# KiCad board 2000ATX.kicad_pcb (continued)
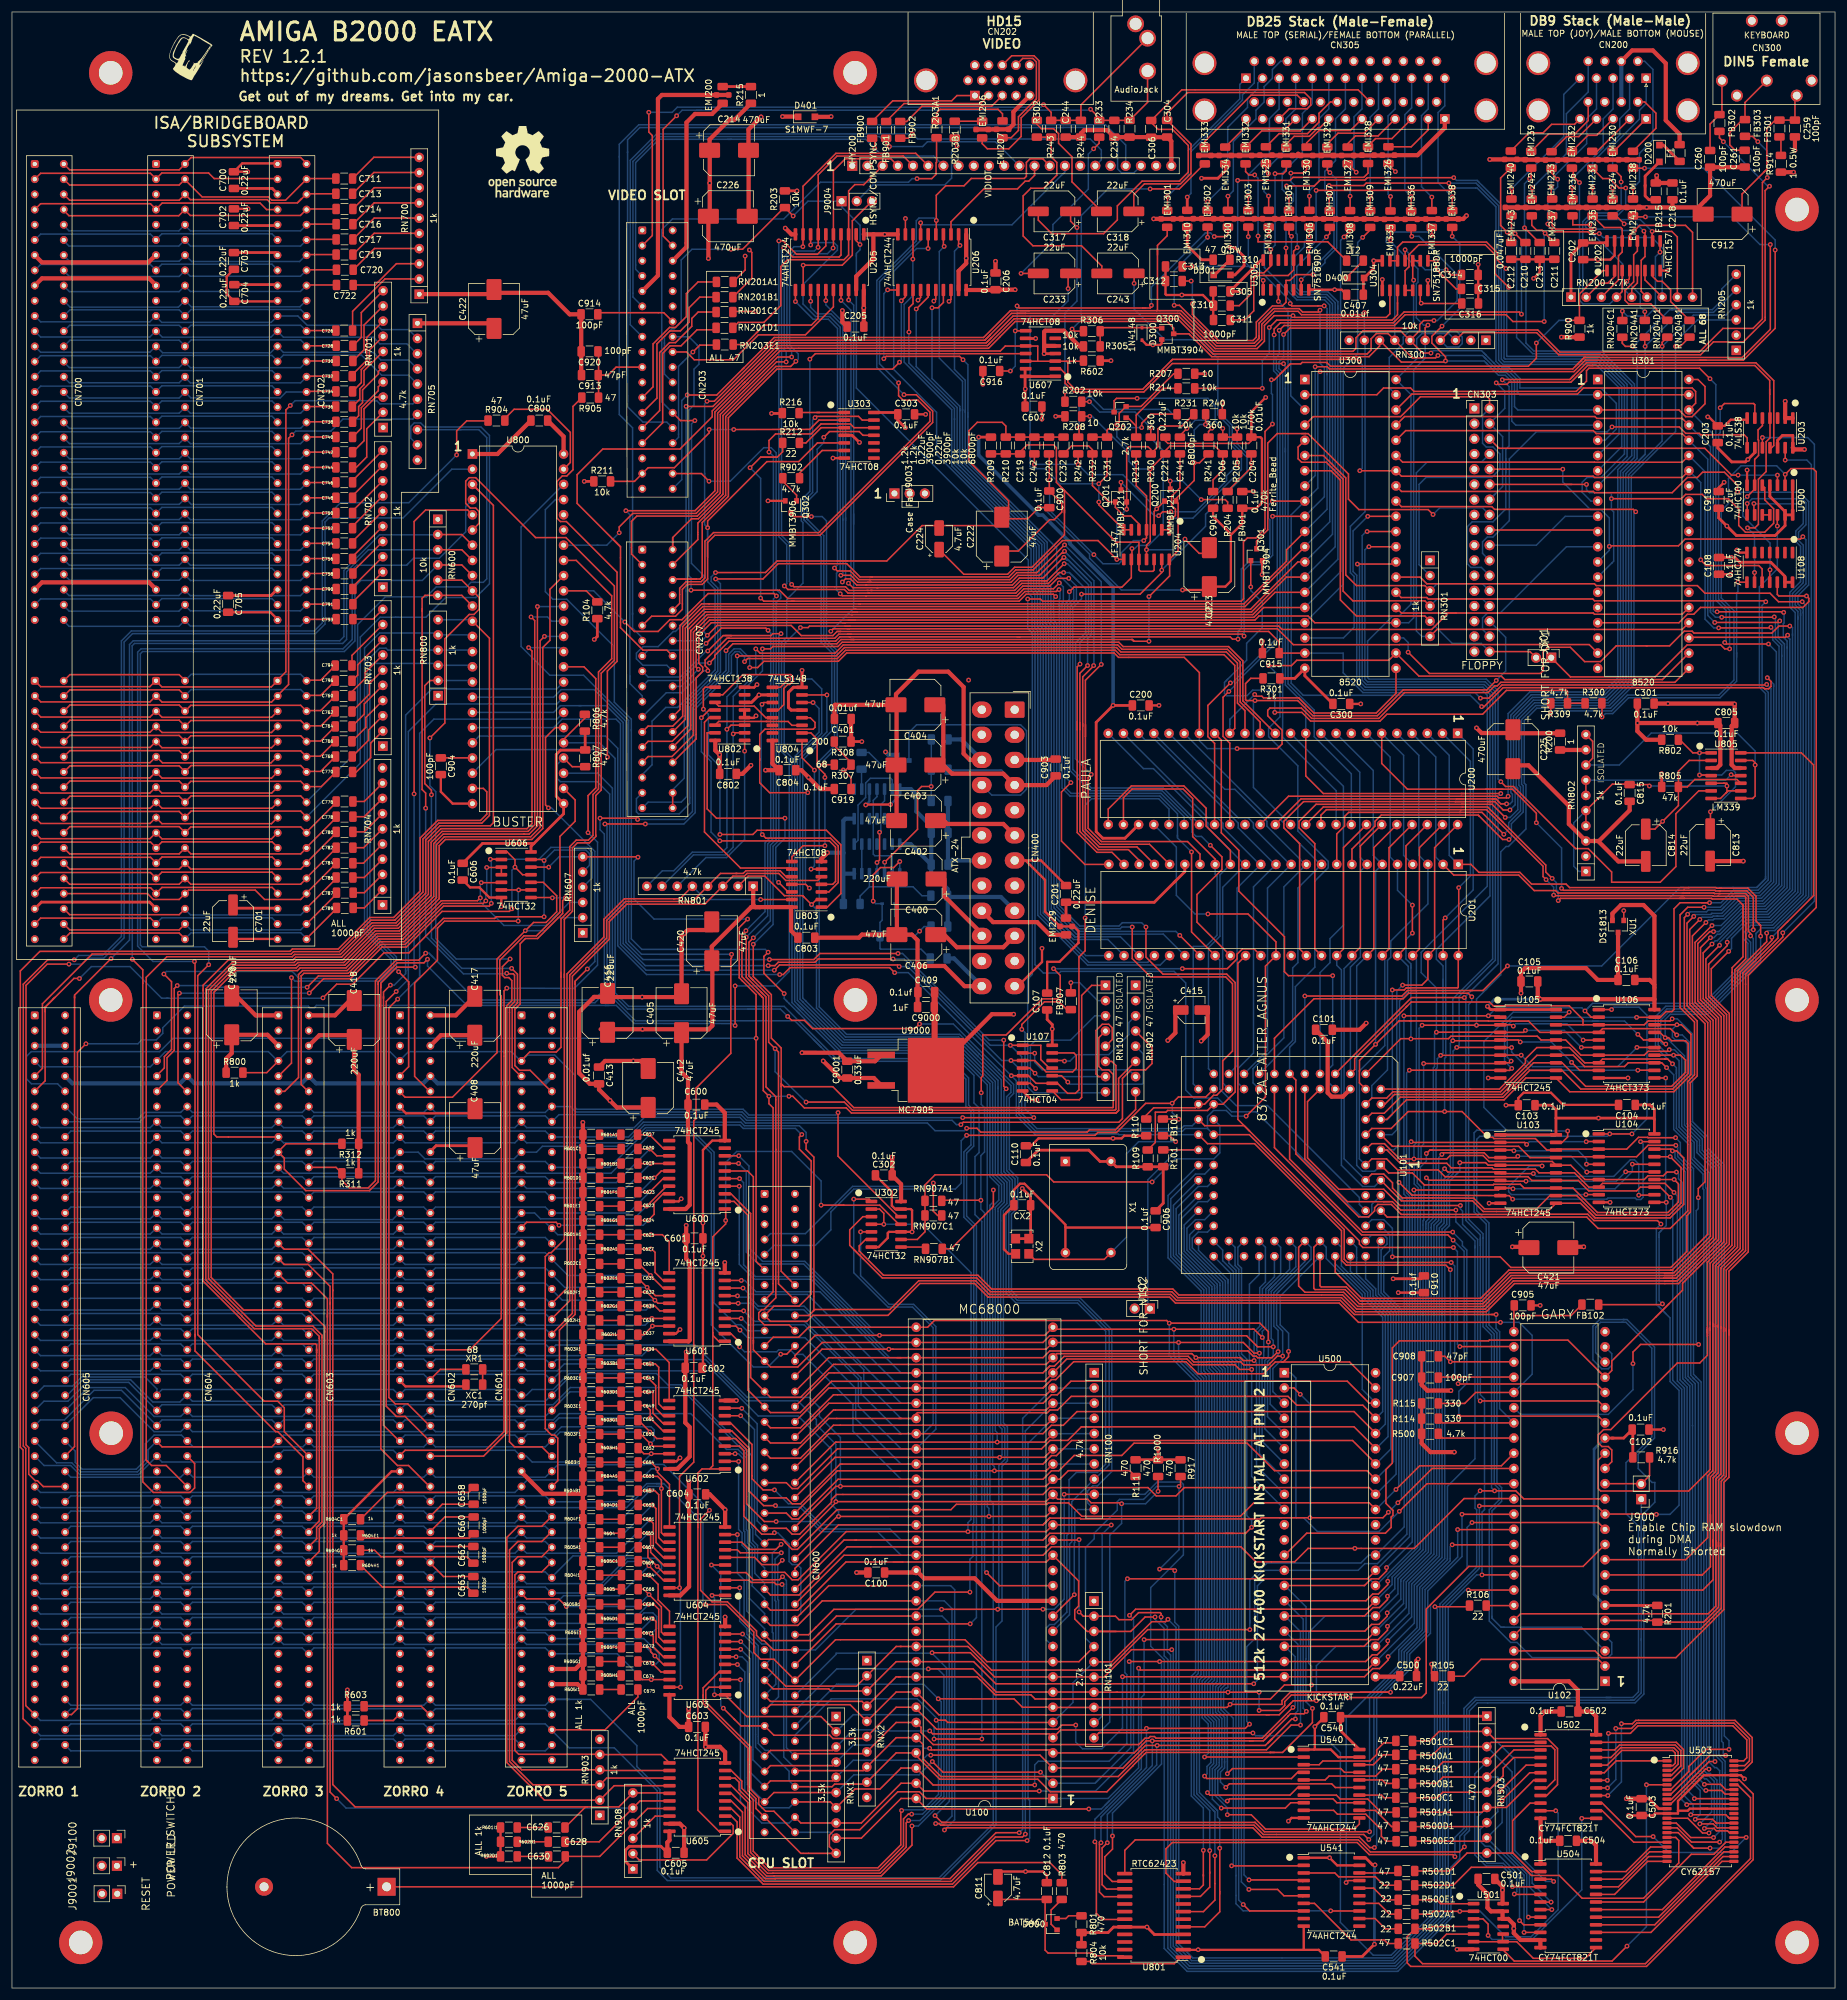
[diagram p0: board, top side]
## Routing (per net, layer and track width the routed paths; a pad name or vN(x,y) marks a point on that pad's centre or on a via; arc(x,y) is an arc through that point) (continued)
Net-(U201-Pad21): length 157.7
  Top w0.25: v1(180.85,220.98) 180.85,220.92 179.02,219.09 179.02,210.87 ; 179.02,210.87 179.02,211.3 ; 179.02,210.87 179.02,193.43 181.77,190.68 188.09,190.68 U201.21 ; 143.62,234.89 167.02,234.89 168.19,236.06 171.8,236.06 175.53,239.79 175.78,239.79 175.97,239.98 v1(175.97,240.08) ; 143.62,234.89 141.42,234.89 140.24,236.07 v1(138.58,236.07) ; 143.62,234.89 143.05,234.89 ; U205.13 v1(133.53,281.86)
  Bottom w0.25: 138.92,245.45 138.92,236.41 v1(138.58,236.07) ; 138.92,245.45 138.92,277.76 136.93,279.76 134.62,279.76 133.53,280.85 v1(133.53,281.86) ; 138.92,245.45 138.92,245.26 ; 176.83,239.22 v1(175.97,240.08) 180.89,235.16 180.89,221.02 v1(180.85,220.98)
Net-(U201-Pad22): length 158.5
  Top w0.25: U205.15 v1(136.07,281.97) ; v1(138.84,234.95) 139.36,235.47 140.2,235.47 141.23,234.44 142.9,234.44 ; 142.9,234.44 167.26,234.44 168.43,235.61 172.36,235.61 175.57,238.82 175.83,238.82 175.87,238.86 v1(175.87,239.06) ; 142.9,234.44 142.7,234.44 ; U201.22 188.47,188.42 186.66,190.23 181.58,190.23 178.55,193.26 178.55,210.3 ; 178.55,210.3 178.55,211.46 ; 178.55,210.3 178.55,219.7 v1(179.83,220.98)
  Bottom w0.25: 139.37,245.65 139.37,245.21 ; 139.37,245.65 139.37,235.49 v1(138.84,234.95) ; 139.37,245.65 139.37,277.95 136.07,281.25 v1(136.07,281.97) ; v1(179.83,220.98) 179.83,225.52 180.44,226.13 180.44,234.78 176.65,238.58 176.36,238.58 v1(175.87,239.06) 176.16,239.06 179.76,235.47
Net-(U201-Pad23): length 148
  Top w0.25: v1(175.92,238) 173.08,235.16 172.25,235.16 ; v1(139.85,234.75) 140.61,233.99 144.77,233.99 ; 178.1,210.27 178.1,193.07 181.4,189.78 183.91,189.78 U201.23 ; 178.1,210.27 178.1,211.65 ; 178.1,210.27 178.1,220.77 v1(178.56,221.23) ; 144.77,233.99 167.44,233.99 168.61,235.16 172.98,235.16 ; 144.77,233.99 144.53,233.99 ; U205.17 v1(138.61,282.02)
  Bottom w0.25: v1(138.61,282.02) 140.27,280.35 140.27,235.17 v1(139.85,234.75) ; v1(175.92,238) 176.49,238 179.99,234.49 179.99,226.31 178.56,224.88 v1(178.56,221.23)
Net-(U201-Pad24): length 127.1
  Top w0.25: 145.75,272.24 v1(145.77,272.26) 146.16,272.65 158.44,272.65 v1(159,272.08) ; U206.11 146.43,283.74 v1(146.41,283.77) ; v1(177.04,201.42) 175.46,199.85 175.46,191.67 179.37,187.76 U201.24
  Bottom w0.25: v1(145.77,272.26) 145.77,283.13 v1(146.41,283.77) ; v1(177.04,201.42) 176.47,201.99 176.47,229.07 ; 176.47,229.07 176.47,231.04 177.51,232.08 177.51,233.67 174.67,236.52 174.67,240.64 159.82,255.48 159.82,262.54 ; 176.47,229.07 176.47,229.36 ; v1(159,272.08) 159.82,271.26 159.82,262.54 ; 159.82,262.54 159.82,263.25
Net-(U201-Pad25): length 127.8
  Top w0.25: v1(149.96,276.71) 149.96,280.77 150.65,281.46 U206.13
  Bottom w0.25: 157.57,262.12 157.57,262.28 ; 157.57,262.12 157.57,263.92 149.96,271.54 v1(149.96,276.71) ; 157.57,262.12 157.57,254.54 171.28,240.84 171.28,233.99 171.9,233.36 171.9,227.65 172.42,227.13 172.42,179.63 179.53,172.52 U201.25
Net-(U201-Pad26): length 130.6
  Top w0.25: v1(151.18,280.57) 153.19,282.58 U206.15
  Bottom w0.25: 158.02,254.73 171.73,241.03 171.73,234.17 172.35,233.55 172.35,227.83 172.87,227.32 172.87,179.82 177.47,175.21 183.24,175.21 U201.26 ; 158.02,254.73 158.6,254.15 ; 158.02,254.73 158.02,264.11 151.18,270.95 v1(151.18,280.57)
Net-(U201-Pad27): length 135.5
  Top w0.25: U206.17 155.73,281.66 154.84,280.77 v1(153.82,280.77)
  Bottom w0.25: 176.22,177.1 177.66,175.66 178.62,175.66 ; 173.32,227.51 172.8,228.02 172.8,233.73 172.18,234.36 172.18,241.22 158.47,254.92 158.47,263.58 ; 173.32,227.51 173.32,226.73 ; 173.32,227.51 173.32,226.73 ; 158.47,263.58 158.47,263.96 ; 158.47,263.58 158.47,264.3 153.82,268.95 v1(153.82,280.77) ; 173.32,226.73 173.32,180.1 177.76,175.66 178.62,175.66 ; 178.62,175.66 185.33,175.66 U201.27
Net-(U201-Pad28): length 146.5
  Top w0.25: v1(150.62,288.9) 150.65,288.93 U206.8
  Bottom w0.25: v1(150.62,288.9) 150.62,282.8 149.16,281.34 149.16,271.7 157.12,263.74 157.12,254.36 170.83,240.66 170.83,233.8 171.45,233.18 171.45,227.46 171.94,226.97 171.94,226.58 171.96,226.57 171.96,179.45 180.02,171.39 189.88,171.39 U201.28
Net-(U201-Pad29): length 153.4
  Top w0.25: 153.16,293.07 U206.6 153.19,290.7 v1(153.16,290.68)
  Bottom w0.25: v1(153.16,290.68) 151.23,290.68 147.42,286.87 147.42,270.46 154.58,263.3 154.58,256.26 170.38,240.47 170.38,233.61 171,232.99 171,227.28 171.49,226.78 171.49,225.76 171.51,225.75 171.51,179.26 179.83,170.94 191.97,170.94 U201.29
Net-(U201-Pad30): length 146.6
  Top w0.25: v1(155.85,291.03) 155.73,291.16 U206.4 155.75,293.07
  Bottom w0.25: 158.92,263.62 158.92,268.48 155.04,272.36 155.04,290.17 v1(155.85,291.03) ; 158.92,263.62 158.92,263.8 ; 158.92,263.62 158.92,255.1 172.63,241.4 172.63,234.54 173.25,233.92 173.25,228.21 173.77,227.69 173.77,180.31 177.97,176.11 192.5,176.11 U201.30
Net-(U201-Pad31): length 148
  Top w0.25: 195.22,175.92 v1(195.25,175.9) U201.31 ; 158.29,293.07 U206.2 158.27,291.41 v1(158.5,291.19)
  Bottom w0.25: 159.37,263.33 159.37,268.67 157.58,270.46 157.58,290.22 v1(158.5,291.19) ; 159.37,263.33 159.37,255.29 173.08,241.59 173.08,234.73 173.7,234.11 173.7,228.39 174.22,227.88 174.22,227.36 174.22,180.5 178.15,176.56 194.59,176.56 v1(195.25,175.9) ; 159.37,263.33 159.37,263.65
Net-(U201-Pad33): length 205
  Top w0.25: 143.33,233.09 143.1,233.09 ; 143.33,233.09 139.78,233.09 139.18,233.69 129.73,233.69 v1(129.13,234.29) ; 143.33,233.09 167.83,233.09 169,234.26 173.5,234.26 174.8,235.56 v1(176.68,235.56) ; U201.33 198.12,178.1 198.12,182.73 202.29,186.9 202.29,189.02 v1(200.36,190.96) ; 128.27,291.95 128.94,291.95 131.18,289.71 134.66,289.71 136.07,291.11 U205.6
  Bottom w0.25: v1(129.13,234.29) 129.53,234.69 129.53,241.2 128.21,242.53 ; v1(128.21,291.95) 128.21,242.52 ; v1(200.36,190.96) 198.88,192.43 197.97,192.43 197.26,193.14 197.26,195.1 192.28,200.08 180.26,200.08 176.92,203.42 176.92,230.85 177.96,231.9 177.96,234.28 v1(176.68,235.56)
Net-(U300-Pad23): length 355.6
  Top w0.25: 142.38,121.79 140.82,123.35 ; 140.82,123.35 145.51,118.65 161.3,118.65 163.61,116.35 193.91,116.35 194.9,115.36 222.27,115.36 224.64,113 246.49,113 251.2,117.71 276.36,117.71 278.62,117.71 285.76,124.85 285.76,162.3 282.75,165.31 282.75,172.97 v1(284.23,174.45) ; 140.82,123.35 140.06,124.11 140.06,126.7 142.25,128.89 U302.3 ; 273.35,224.28 277.14,224.28 279.59,226.73 280.91,226.73 281.22,226.42 294.23,226.42 295.4,227.58 v1(297.23,227.58) ; 273.35,224.28 273.2,224.28 ; 273.35,224.28 268.22,224.28 265.59,221.65 262.93,221.65 260.54,224.04 256.81,224.04 255.99,223.22 255.99,220.12 255.53,219.67 236.98,219.67 v1(233.43,223.22)
  Bottom w0.25: 297.69,226.28 297.69,226.06 ; 297.69,226.06 297.69,227.33 297.43,227.58 v1(297.23,227.58) ; 297.69,226.06 297.69,183.48 293.6,179.4 291.01,179.4 ; 291.01,179.4 289.51,179.4 285.12,175.01 284.78,175.01 v1(284.23,174.45) ; 291.01,179.4 290,179.4 ; v1(233.43,223.22) 233.43,224.84 232.66,225.6 U300.23
Net-(U301-Pad23): length 286.5
  Top w0.25: 276.35,118.16 251.01,118.16 246.3,113.45 224.82,113.45 222.46,115.81 218.96,115.81 195.09,115.81 194.09,116.8 163.79,116.8 161.49,119.1 145.7,119.1 141.65,123.15 141.65,124.01 142.72,125.08 U302.6 ; 276.35,118.16 278.43,118.16 285.31,125.04 285.31,162.12 282.3,165.13 282.3,173.85 v1(283.97,175.51) ; 276.35,118.16 278.08,118.16 ; U301.23 280.47,225.7 296.52,225.7 v1(296.88,226.06)
  Bottom w0.25: 297.24,225.39 297.24,183.67 293.42,179.85 290.08,179.85 ; 297.24,225.39 296.98,225.65 ; 297.24,225.39 296.88,225.76 v1(296.88,226.06) ; 290.08,179.85 289.32,179.85 285.56,176.08 285.1,176.08 284.54,175.51 v1(283.97,175.51) ; 290.08,179.85 289.81,179.85
Net-(U802-Pad9): length 61.8
  Top w0.25: v1(118.36,192.76) 123.88,192.76 124.58,193.46 136.16,193.46 138.59,191.03 138.59,182.9 136.32,180.62 U803.1 ; v1(115.6,213.69) 115.6,217.07 115.9,217.37 U802.9
  Bottom w0.25: v1(118.36,192.76) 118.36,204.11 116.85,205.63 ; 116.85,205.63 116.43,206.04 116.43,212.85 v1(115.6,213.69) ; 116.85,205.63 116.57,205.91
Net-(U802-Pad10): length 22.3
  Top w0.25: U804.12 128.12,213.54 129.03,214.45 129.03,217.14 129.72,217.83 130.03,217.83 130.6,218.4 130.6,219.09 130.22,219.47 122.21,219.47 118.85,216.1 U802.10
Net-(U802-Pad11): length 10.7
  Top w0.25: U802.11 118.17,214.21 124.1,214.21 126.03,212.27 U804.13
Net-(U802-Pad12): length 52.7
  Top w0.25: v1(115.27,212.27) 116.56,213.56 U802.12 ; v1(118.34,191.69) 136.65,191.69 137.69,190.65 137.69,184.91 137.21,184.43 U803.4
  Bottom w0.25: v1(118.34,191.69) 116.88,193.16 116.88,204.96 115.27,206.58 v1(115.27,212.27)
Net-(U802-Pad13): length 37.6
  Top w0.25: U803.9 130.21,187.15 121.81,187.15 115.78,193.18 115.78,211.51 116.56,212.29 U802.13
Net-(U802-Pad14): length 15.7
  Top w0.25: U802.14 118.17,211.65 126.11,211.65 126.12,211.64 126.81,211.64 ; 126.17,211.64 126.81,211.64 ; 126.81,211.64 129.76,211.64 130.4,211 U804.3
Net-(U802-Pad15): length 42.1
  Top w0.25: U803.12 129.77,183.16 v1(128.17,184.76) ; U802.15 116.26,209.75 116.23,209.73 116.23,197.03 117.78,195.48 v1(129.24,195.48)
  Bottom w0.25: v1(129.24,195.48) 129.24,192.14 127.7,190.6 127.7,185.23 v1(128.17,184.76)
Net-(U803-Pad3): length 46.9
  Top w0.25: 125.4,192.79 v1(125.45,192.74) 126.04,192.14 136.84,192.14 138.14,190.84 138.14,184.73 136.58,183.16 U803.3 ; U804.11 125.7,214.81 v1(125.4,214.5)
  Bottom w0.25: v1(125.45,192.74) 125.26,192.93 125.26,214.36 v1(125.4,214.5)
Net-(U803-Pad6): length 24.3
  Top w0.25: v1(134.16,203.5) 132.09,205.58 U804.1 ; v1(133.6,186.97) U803.6
  Bottom w0.25: v1(133.6,186.97) 134.16,187.53 v1(134.16,203.5)
Net-(U803-Pad8): length 28.5
  Top w0.25: U803.8 130.39,189.02 131.08,189.7 ; U804.2 133.58,209.73 134.62,208.69 134.62,204.12 135.92,202.83 v1(135.92,202.29) ; 131.08,189.7 132.26,190.88 v1(135.92,190.88) ; 131.08,189.7 131.19,189.81
  Bottom w0.25: v1(135.92,202.29) v1(135.92,190.88)
Net-(U803-Pad11): length 49.5
  Top w0.25: 125.02,205.33 125.02,205.21 ; 125.02,205.33 125.02,201.4 126.67,199.75 v1(133.05,199.75) ; 125.02,205.33 125.02,209.47 125.9,210.35 133.95,210.35 134.26,210.67 134.26,211.48 133.48,212.27 U804.4 ; v1(133.32,183.79) 132.69,184.43 U803.11
  Bottom w0.25: v1(133.05,199.75) 132.66,199.36 132.66,184.46 v1(133.32,183.79)
Net-(U900-Pad10): length 1.3
  Top w0.25: U900.10 U900.11
Net-(U9101-Pad2): length 17.3
  Bottom w0.25: U9102.11 144.62,199.08 144,198.46 144,189.47 144.27,189.2 147.03,189.2 147.16,189.07 U9101.2
Net-(U9101-Pad4): length 14.7
  Top w0.25: v1(144.62,188.07) 145.05,188.5 v1(145.05,193.13)
  Bottom w0.25: U9102.12 145.89,198.39 145.27,197.76 145.27,193.34 v1(145.05,193.13) ; U9101.4 v1(144.62,188.07)
Net-(U9101-Pad6): length 4.9
  Bottom w0.25: U9101.6 U9101.9
Net-(U9101-Pad8): length 17.4
  Bottom w0.25: U9102.13 147.16,201.89 146.91,202.14 143.51,202.14 142.73,201.36 142.73,198.95 141.46,197.68 141.46,191.8 U9101.8
Net-(XC1-Pad1): length 2.5
  Top w0.25: XR1.2 XC1.1

## Copper pours and planes (outline as drawn; the poured copper is in the pictures)
+5V on In2.Cu: 299.72,5.08 2.54,5.08 2.51,328.8 299.69,328.8
GND on In1.Cu: 304.29,329.69 304.29,0.51 0.51,0.51 0.41,329.74

## Text on the board
F.SilkS: ISOLATED | ALL / 1000pF | ALL 47 | 1000pF | ALL 1k | ALL 68 | Enable Chip RAM slowdown / during DMA / Normally Shorted | + | ZORRO 1 | ZORRO 2 | ZORRO 3 | Get out of my dreams. Get into my car. | ZORRO 4 | 1 | ZORRO 5 | VIDEO SLOT | CPU SLOT | VIDEO | HD15 | DB25 Stack (Male-Female) | DB9 Stack (Male-Male) | DIN5 Female | 512k 27C400 KICKSTART INSTALL AT PIN 2 | ISA/BRIDGEBOARD / SUBSYSTEM | REV 1.2.1 / https://github.com/jasonsbeer/Amiga-2000-ATX | AMIGA B2000 EATX
